# Altium PCB Mirny.PcbDoc (part 1 of 8) (continued)
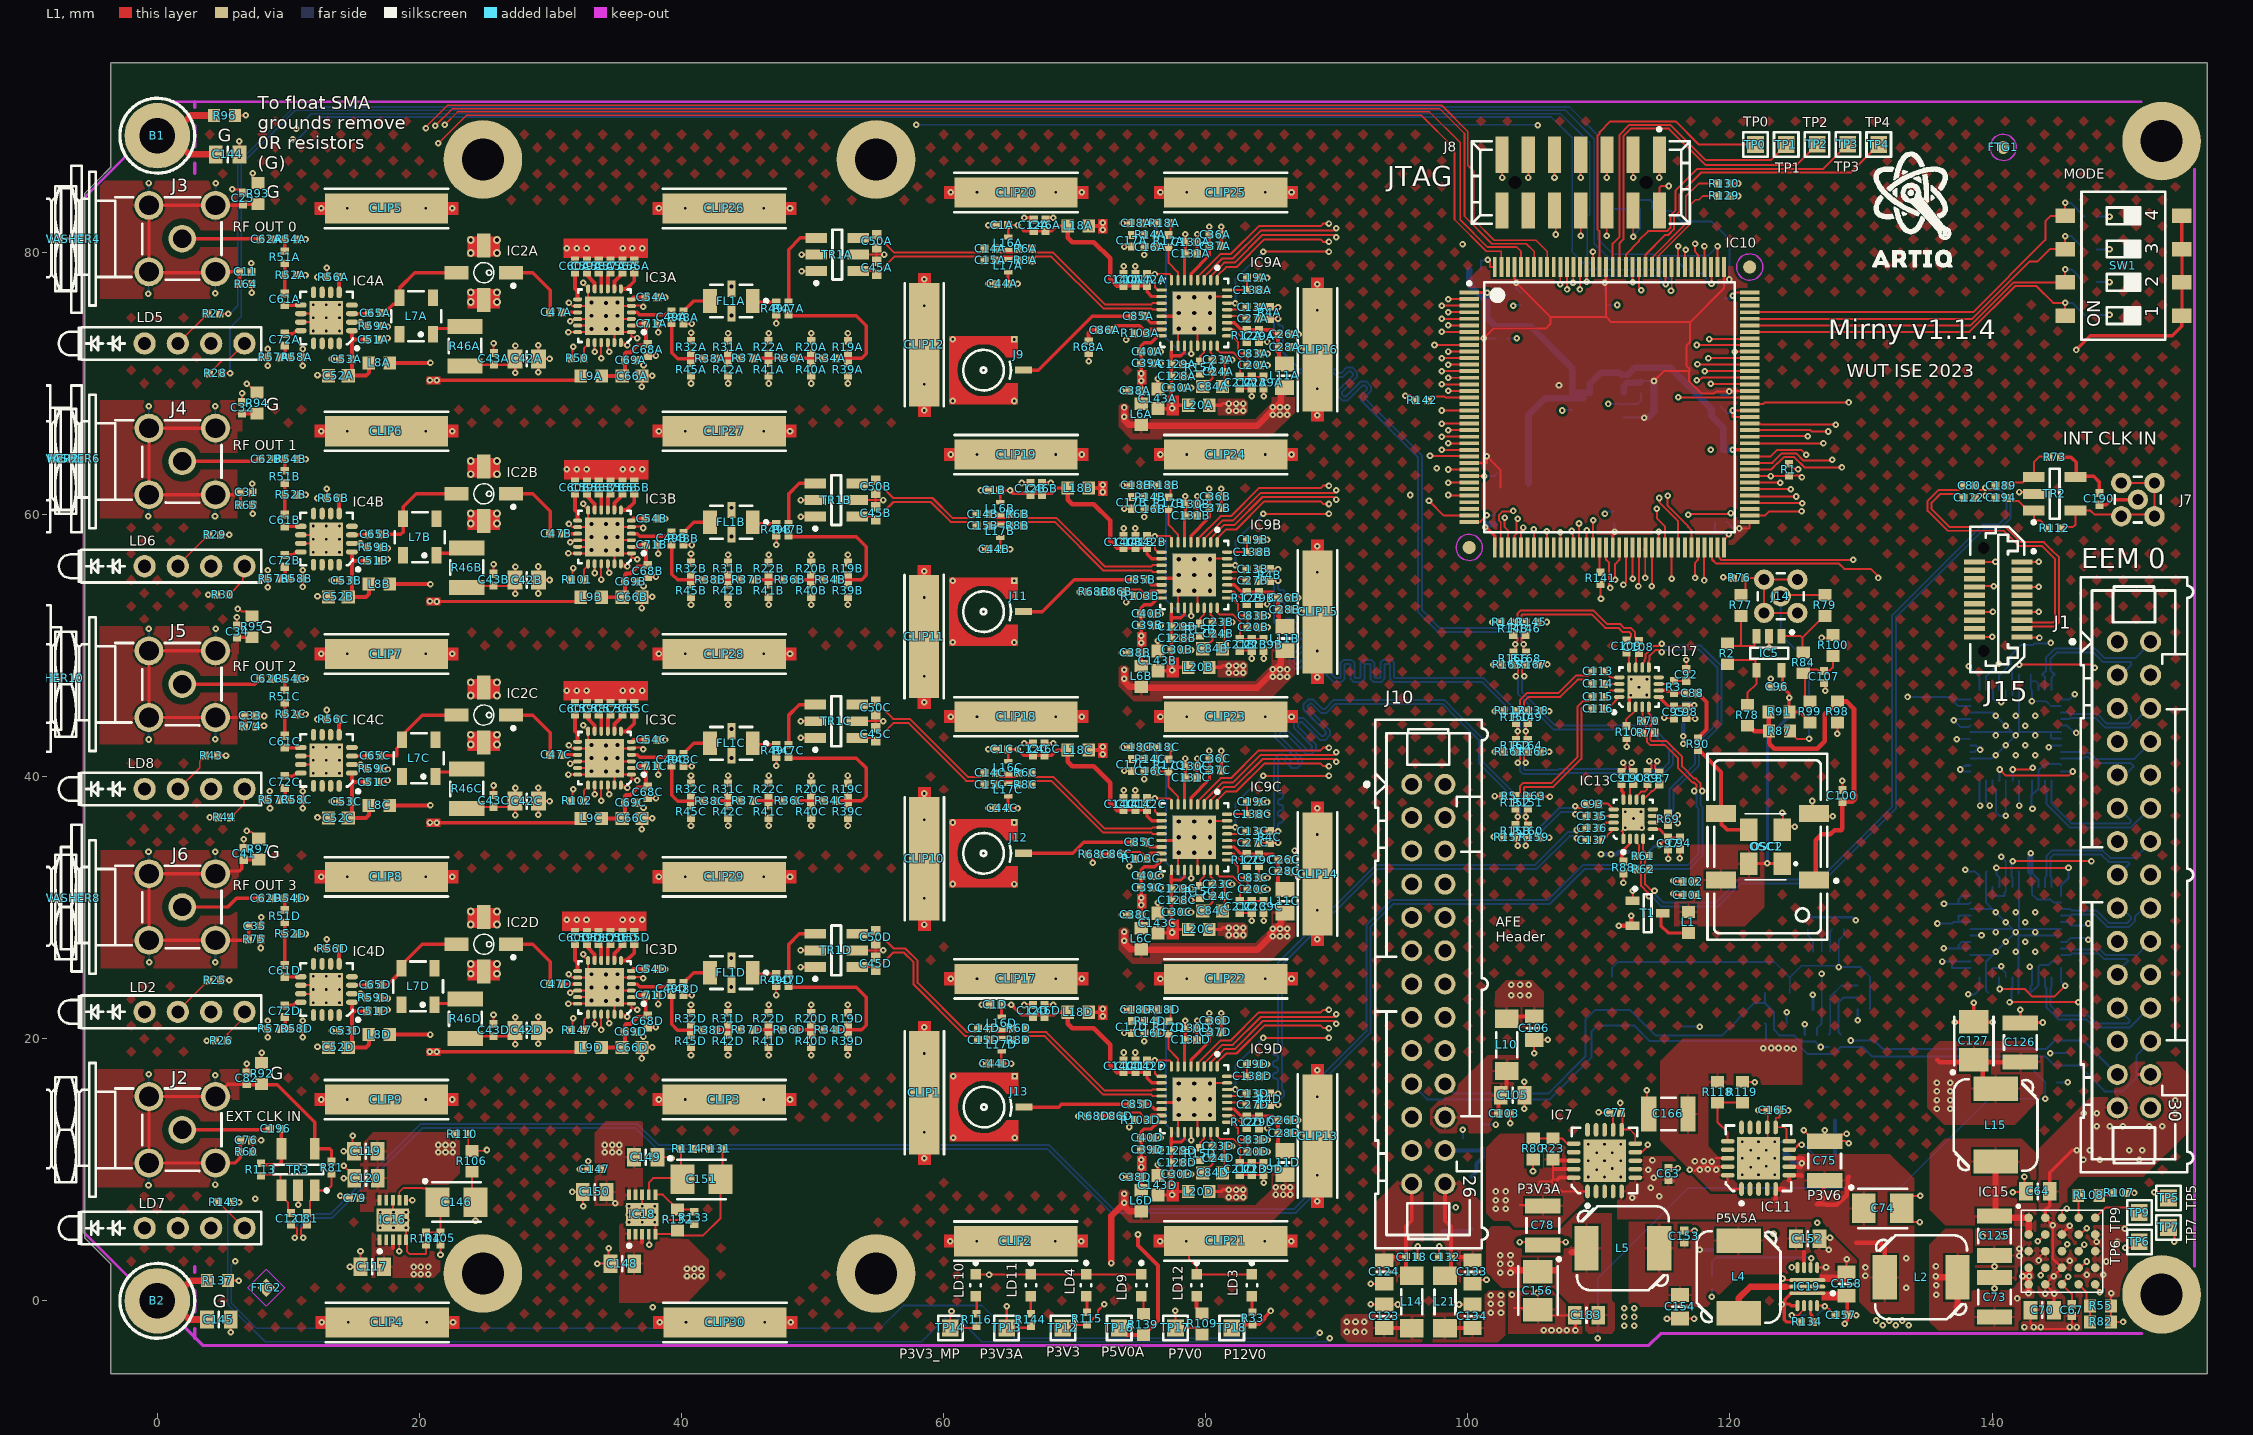
[diagram p0: L1 view]
## Classes and differential pairs (continued)
component class U_LVDS_IFCA: C2 C3 C4 C5 C6 C7 C8 C9 C10 D1 IC1 IC6 IC8 IC20 J1 R7 R9 R11 R13 R16 R21 R24 R35
component class U_CTRL_LOGIC: C104 C184 C185 C186 C187 C188 C192 C193 C197 C198 C199 C200 C201 IC10 IC14 J8 R1 R66 R67 R83 R85 R86 R111 R129 R130 R141 R142 SW1 TP0 TP1 TP2 TP3 TP4
component class U_CLK_INPUT: C80 C81 C87 C88 C89 C90 C91 C92 C93 C94 C95 C96 C97 C98 C100 C101 C102 C107 C108 C109 C113 C114 C115 C116 C121 C122 C135 C136 C137 C189 C190 C194 C196 IC5 IC13 IC17 J14 J15 L1 L3 L13 OSC1 OSC2 R2 R3 R5 R10 R61 R62 R63 R69 R70 R71 R73 R76 R77 R78 R79 R81 R84 R87 R88 R90 R91 R98 R99 R100 R112 R113 R117 R138 R140 R145 R146 R148 R149 R150 R151 R152 R157 R158 R159 R160 R161 R162 R163 R164 R165 R166 R167 R168 T1 TR2 TR3
component class U_B2B_Connectors: C103 C103D C105 C105D C106 C106D C107D C108D C109D C110 C110D C111 C111D C112 C112D C113D C114D C115D C116D C117D C118 C118D C123 C124 C132 C133 C134 J9 J10 J11 J12 J13 L10 L10D L12 L12D L13D L14 L14D L21
component class Mirny: B1 B2 C11 C25 C31 C32 C33 C34 C35 C41 C76 C82 C144 C145 CLIP1 CLIP2 CLIP3 CLIP4 CLIP5 CLIP6 CLIP7 CLIP8 CLIP9 CLIP10 CLIP11 CLIP12 CLIP13 CLIP14 CLIP15 CLIP16 CLIP17 CLIP18 CLIP19 CLIP20 CLIP21 CLIP22 CLIP23 CLIP24 CLIP25 CLIP26 CLIP27 CLIP28 CLIP29 CLIP30 FTG1 FTG2 FTG3 FTG4 J2 J3 J4 J5 J6 J7 LD2 LD5 LD6 LD8 NT1 NT2 NT3 NT4 NT5 NT6 NT7 NT8 NT9 NT10 NT11 NT12 NT13 NT14 NT15 NT16 NT17 NT18 NT19 NT20 R25 R26 R27 R28 R29 R30 R43 R44 R50 R60 R64 R65 R74 R75 R92 R93 R94 R95 R96 R97 R101 R102 R137 R147 WASHER2 WASHER4 WASHER6 WASHER8 WASHER10
differential pair VCOB_CLK2: +VCOB_CLK2_P -VCOB_CLK2_N
differential pair VCOB_CLK1: +VCOB_CLK1_P -VCOB_CLK1_N
differential pair VCOB_CLK0: +VCOB_CLK0_P -VCOB_CLK0_N
differential pair VCOA_CLK2: +VCOA_CLK2_P -VCOA_CLK2_N
differential pair VCOA_CLK1: +VCOA_CLK1_P -VCOA_CLK1_N
differential pair VCOA_CLK0: +VCOA_CLK0_P -VCOA_CLK0_N
differential pair CPCIS_CLK: +CPCIS_CLK_P -CPCIS_CLK_N
differential pair VCO_CLK3: +VCO_CLK3_P -VCO_CLK3_N
differential pair VCO_CLK2: +VCO_CLK2_P -VCO_CLK2_N
differential pair VCO_CLK1: +VCO_CLK1_P -VCO_CLK1_N
differential pair VCO_CLK0: +VCO_CLK0_P -VCO_CLK0_N
differential pair CLKM: +CLKM_P -CLKM_N
differential pair CK_SMA: +CK_SMA_P -CK_SMA_N
differential pair CK_MMCX: +CK_MMCX_P -CK_MMCX_N
differential pair LVDS7: +LVDS7_P -LVDS7_N
differential pair LVDS6: +LVDS6_P -LVDS6_N
differential pair LVDS5: +LVDS5_P -LVDS5_N
differential pair LVDS4: +LVDS4_P -LVDS4_N
differential pair LVDS3: +LVDS3_P -LVDS3_N
differential pair LVDS2: +LVDS2_P -LVDS2_N
differential pair LVDS1: +LVDS1_P -LVDS1_N
differential pair LVDS0: +LVDS0_P -LVDS0_N
differential pair VCO_OUTD: +VCO_OUTD_P -VCO_OUTD_N
differential pair VCO_OUTC: +VCO_OUTC_P -VCO_OUTC_N
differential pair VCO_OUTB: +VCO_OUTB_P -VCO_OUTB_N
differential pair VCO_OUTA: +VCO_OUTA_P -VCO_OUTA_N
differential pair VCO_OUTAD: +VCO_OUTAD_P -VCO_OUTAD_N
differential pair VCO_OUTAC: +VCO_OUTAC_P -VCO_OUTAC_N
differential pair VCO_OUTAB: +VCO_OUTAB_P -VCO_OUTAB_N
differential pair VCO_OUTAA: +VCO_OUTAA_P -VCO_OUTAA_N
differential pair CK_SMA_IN: +CK_SMA_IN_P -CK_SMA_IN_N
differential pair CK_MMCX_IN: +CK_MMCX_IN_P -CK_MMCX_IN_N

## Components (designator, comment, footprint, x,y, rotation, side; value= is the part's Value field where it differs from the comment)
B1 "Plated Hole" MTG270_500 0,88.9 r0 top
B2 "Plated Hole" MTG270_500 0,0 r0 top
C1A "120pF" CAPC1005X55N 64.461,82.078 r0 top (schematic designator C1)
C1B "120pF" CAPC1005X55N 63.866,61.833 r0 top (schematic designator C1)
C1C "120pF" CAPC1005X55N 64.461,42.078 r0 top (schematic designator C1)
C1D "120pF" CAPC1005X55N 63.953,22.586 r0 top (schematic designator C1)
C2 "100nF" CAPC1005X55N 142.544,38.488 r0 bottom
C3 "100nF" CAPC1005X55N 142.469,32.763 r0 bottom
C4 "100nF" CAPC1005X55N 142.494,47.788 r0 bottom
C5 "100nF" CAPC1005X55N 139.294,38.488 r180 bottom
C6 "100nF" CAPC1005X55N 139.144,32.763 r180 bottom
C7 "100nF" CAPC1005X55N 139.244,23.513 r180 bottom
C8 "100nF" CAPC1005X55N 142.469,23.463 r0 bottom
C9 "100nF" CAPC1005X55N 139.269,47.838 r180 bottom
C10 "100nF" CAPC1005X55N 144.501,16.675 r180 bottom
C11 "10nF" CAPC1005X55N 6.724,78.508 r0 top
C12A "100nF" CAPC1005X55N 66.873,82.069 r270 top (schematic designator C12)
C12B "100nF" CAPC1005X55N 66.619,61.954 r270 top (schematic designator C12)
C12C "100nF" CAPC1005X55N 66.81,42.079 r270 top (schematic designator C12)
C12D "100nF" CAPC1005X55N 66.81,22.12 r270 top (schematic designator C12)
C13A "1nF" CAPC1005X55N 83.57,75.815 r180 top (schematic designator C13)
C13B "1nF" CAPC1005X55N 83.57,55.815 r180 top (schematic designator C13)
C13C "1nF" CAPC1005X55N 83.57,35.815 r180 top (schematic designator C13)
C13D "1nF" CAPC1005X55N 83.57,15.815 r180 top (schematic designator C13)
C14A "1nF" CAPC1005X55N 63.567,80.275 r180 top (schematic designator C14)
C14B "1nF" CAPC1005X55N 62.972,60.03 r180 top (schematic designator C14)
C14C "1nF" CAPC1005X55N 63.567,40.275 r180 top (schematic designator C14)
C14D "1nF" CAPC1005X55N 63.059,20.783 r180 top (schematic designator C14)
C15A "1nF" CAPC1005X55N 63.567,79.386 r180 top (schematic designator C15)
C15B "1nF" CAPC1005X55N 62.972,59.141 r180 top (schematic designator C15)
C15C "1nF" CAPC1005X55N 63.567,39.386 r180 top (schematic designator C15)
C15D "1nF" CAPC1005X55N 63.059,19.894 r180 top (schematic designator C15)
C16A "560pF" CAPC1005X55N 75.769,80.407 r0 top (schematic designator C16)
C16B "560pF" CAPC1005X55N 75.769,60.407 r0 top (schematic designator C16)
C16C "560pF" CAPC1005X55N 75.769,40.407 r0 top (schematic designator C16)
C16D "560pF" CAPC1005X55N 75.769,20.407 r0 top (schematic designator C16)
C17A "7.5nF" CAPC1005X55N 74.372,80.888 r90 top (schematic designator C17)
C17B "7.5nF" CAPC1005X55N 74.372,60.888 r90 top (schematic designator C17)
C17C "7.5nF" CAPC1005X55N 74.372,40.888 r90 top (schematic designator C17)
C17D "7.5nF" CAPC1005X55N 74.372,20.888 r90 top (schematic designator C17)
C18A "240pF" CAPC1005X55N 74.712,82.221 r0 top (schematic designator C18)
C18B "240pF" CAPC1005X55N 74.712,62.221 r0 top (schematic designator C18)
C18C "240pF" CAPC1005X55N 74.712,42.221 r0 top (schematic designator C18)
C18D "240pF" CAPC1005X55N 74.712,22.221 r0 top (schematic designator C18)
C19A "100nF" CAPC1005X55N 83.598,78.063 r180 top (schematic designator C19)
C19B "100nF" CAPC1005X55N 83.598,58.063 r180 top (schematic designator C19)
C19C "100nF" CAPC1005X55N 83.598,38.063 r180 top (schematic designator C19)
C19D "100nF" CAPC1005X55N 83.598,18.063 r180 top (schematic designator C19)
C20A "100nF" CAPC1005X55N 83.633,71.389 r180 top (schematic designator C20)
C20B "100nF" CAPC1005X55N 83.633,51.389 r180 top (schematic designator C20)
C20C "100nF" CAPC1005X55N 83.633,31.389 r180 top (schematic designator C20)
C20D "100nF" CAPC1005X55N 83.633,11.389 r180 top (schematic designator C20)
C21A "10pF" CAPC1005X55N 82.597,70.057 r90 top (schematic designator C21)
C21B "10pF" CAPC1005X55N 82.597,50.057 r90 top (schematic designator C21)
C21C "10pF" CAPC1005X55N 82.597,30.057 r90 top (schematic designator C21)
C21D "10pF" CAPC1005X55N 82.597,10.057 r90 top (schematic designator C21)
C22A "10nF" CAPC1005X55N 83.506,70.057 r90 top (schematic designator C22)
C22B "10nF" CAPC1005X55N 83.506,50.057 r90 top (schematic designator C22)
C22C "10nF" CAPC1005X55N 83.506,30.057 r90 top (schematic designator C22)
C22D "10nF" CAPC1005X55N 83.506,10.057 r90 top (schematic designator C22)
C23A "10pF" CAPC1005X55N 80.972,71.793 r180 top (schematic designator C23)
C23B "10pF" CAPC1005X55N 80.972,51.793 r180 top (schematic designator C23)
C23C "10pF" CAPC1005X55N 80.972,31.793 r180 top (schematic designator C23)
C23D "10pF" CAPC1005X55N 80.972,11.793 r180 top (schematic designator C23)
C24A "1nF" CAPC1005X55N 80.965,70.885 r180 top (schematic designator C24)
C24B "1nF" CAPC1005X55N 80.965,50.885 r180 top (schematic designator C24)
C24C "1nF" CAPC1005X55N 80.965,30.885 r180 top (schematic designator C24)
C24D "1nF" CAPC1005X55N 80.965,10.885 r180 top (schematic designator C24)
C25 "10nF" CAPC1005X55N 6.535,84.125 r270 top
C26A "100nF" CAPC1005X55N 86.027,73.736 r180 top (schematic designator C26)
C26B "100nF" CAPC1005X55N 85.978,53.639 r180 top (schematic designator C26)
C26C "100nF" CAPC1005X55N 85.993,33.639 r180 top (schematic designator C26)
C26D "100nF" CAPC1005X55N 85.993,13.776 r180 top (schematic designator C26)
C27A "1nF" CAPC1005X55N 83.57,74.944 r180 top (schematic designator C27)
C27B "1nF" CAPC1005X55N 83.57,54.944 r180 top (schematic designator C27)
C27C "1nF" CAPC1005X55N 83.57,34.944 r180 top (schematic designator C27)
C27D "1nF" CAPC1005X55N 83.57,14.944 r180 top (schematic designator C27)
C28A "1uF" CAPC1005X55N 86.027,72.763 r180 top (schematic designator C28)
C28B "1uF" CAPC1005X55N 86.027,52.739 r180 top (schematic designator C28)
C28C "1uF" CAPC1005X55N 85.993,32.766 r180 top (schematic designator C28)
C28D "1uF" CAPC1005X55N 85.993,12.797 r180 top (schematic designator C28)
C29A "10pF" CAPC1005X55N 84.078,73.614 r90 top (schematic designator C29)
C29B "10pF" CAPC1005X55N 84.078,53.614 r90 top (schematic designator C29)
C29C "10pF" CAPC1005X55N 84.078,33.614 r90 top (schematic designator C29)
C29D "10pF" CAPC1005X55N 84.078,13.614 r90 top (schematic designator C29)
C30A "1uF" CAPC1005X55N 77.826,69.66 r180 top (schematic designator C30)
C30B "1uF" CAPC1005X55N 77.826,49.66 r180 top (schematic designator C30)
C30C "1uF" CAPC1005X55N 77.826,29.66 r180 top (schematic designator C30)
C30D "1uF" CAPC1005X55N 77.826,9.66 r180 top (schematic designator C30)
C31 "10nF" CAPC1005X55N 6.802,61.688 r0 top
C32 "10nF" CAPC1005X55N 6.465,68.146 r270 top
C33 "10nF" CAPC1005X55N 7.099,44.643 r0 top
C34 "10nF" CAPC1005X55N 6.089,51.071 r270 top
C35 "10nF" CAPC1005X55N 7.425,28.59 r0 top
C36A "100nF" CAPC1005X55N 80.731,81.36 r180 top (schematic designator C36)
C36B "100nF" CAPC1005X55N 80.731,61.36 r180 top (schematic designator C36)
C36C "100nF" CAPC1005X55N 80.731,41.36 r180 top (schematic designator C36)
C36D "100nF" CAPC1005X55N 80.731,21.36 r180 top (schematic designator C36)
C37A "10pF" CAPC1005X55N 80.731,80.486 r180 top (schematic designator C37)
C37B "10pF" CAPC1005X55N 80.731,60.486 r180 top (schematic designator C37)
C37C "10pF" CAPC1005X55N 80.731,40.486 r180 top (schematic designator C37)
C37D "10pF" CAPC1005X55N 80.731,20.486 r180 top (schematic designator C37)
C38A "1uF" CAPC1005X55N 74.627,69.444 r0 top (schematic designator C38)
C38B "1uF" CAPC1005X55N 74.627,49.444 r0 top (schematic designator C38)
C38C "1uF" CAPC1005X55N 74.627,29.443 r0 top (schematic designator C38)
C38D "1uF" CAPC1005X55N 74.627,9.443 r0 top (schematic designator C38)
C39A "100nF" CAPC1005X55N 75.527,71.529 r180 top (schematic designator C39)
C39B "100nF" CAPC1005X55N 75.527,51.529 r180 top (schematic designator C39)
C39C "100nF" CAPC1005X55N 75.527,31.529 r180 top (schematic designator C39)
C39D "100nF" CAPC1005X55N 75.527,11.529 r180 top (schematic designator C39)
C40A "10pF" CAPC1005X55N 75.528,72.428 r180 top (schematic designator C40)
C40B "10pF" CAPC1005X55N 75.528,52.428 r180 top (schematic designator C40)
C40C "10pF" CAPC1005X55N 75.528,32.428 r180 top (schematic designator C40)
C40D "10pF" CAPC1005X55N 75.528,12.428 r180 top (schematic designator C40)
C41 "10nF" CAPC1005X55N 6.595,34.107 r270 top
C42A "2.2uF" CAPC2012X140N 28.18,71.88 r180 top (schematic designator C42)
C42B "2.2uF" CAPC2012X140N 28.18,55.001 r180 top (schematic designator C42)
C42C "2.2uF" CAPC2012X140N 28.18,38.122 r180 top (schematic designator C42)
C42D "2.2uF" CAPC2012X140N 28.178,20.634 r180 top (schematic designator C42)
C43A "100nF" CAPC1005X55N 25.68,71.88 r270 top (schematic designator C43)
C43B "100nF" CAPC1005X55N 25.655,55.026 r270 top (schematic designator C43)
C43C "100nF" CAPC1005X55N 25.655,38.147 r270 top (schematic designator C43)
C43D "100nF" CAPC1005X55N 25.653,20.659 r270 top (schematic designator C43)
C44A "120pF" CAPC1005X55N 64.461,77.597 r0 top (schematic designator C44)
C44B "120pF" CAPC1005X55N 63.866,57.353 r0 top (schematic designator C44)
C44C "120pF" CAPC1005X55N 64.461,37.597 r0 top (schematic designator C44)
C44D "120pF" CAPC1005X55N 63.953,18.105 r0 top (schematic designator C44)
C45A "0.5pF" CAPC0402(1005)60_M 54.881,78.824 r270 top (schematic designator C45)
C45B "0.5pF" CAPC0402(1005)60_M 54.807,60.093 r270 top (schematic designator C45)
C45C "0.5pF" CAPC0402(1005)60_M 54.807,43.214 r270 top (schematic designator C45)
C45D "0.5pF" CAPC0402(1005)60_M 54.805,25.726 r270 top (schematic designator C45)
C46A "1uF" CAPC1005X55N 67.77,82.069 r270 top (schematic designator C46)
C46B "1uF" CAPC1005X55N 67.516,61.954 r270 top (schematic designator C46)
C46C "1uF" CAPC1005X55N 67.707,42.079 r270 top (schematic designator C46)
C46D "1uF" CAPC1005X55N 67.707,22.12 r270 top (schematic designator C46)
C47A "10nF" CAPC1005X55N 30.43,75.414 r180 top (schematic designator C47)
C47B "10nF" CAPC1005X55N 30.43,58.535 r180 top (schematic designator C47)
C47C "10nF" CAPC1005X55N 30.43,41.656 r180 top (schematic designator C47)
C47D "10nF" CAPC1005X55N 30.428,24.168 r180 top (schematic designator C47)
C48 "100nF" CAPC1005X55N 128.718,28.806 r270 bottom
C49A "10nF" CAPC1005X55N 39.243,75.048 r270 top (schematic designator C49)
C49B "10nF" CAPC1005X55N 39.243,58.169 r270 top (schematic designator C49)
C49C "10nF" CAPC1005X55N 39.243,41.29 r270 top (schematic designator C49)
C49D "10nF" CAPC1005X55N 39.241,23.802 r270 top (schematic designator C49)
C50A "0.5pF" CAPC0402(1005)60_M 54.881,80.844 r270 top (schematic designator C50)
C50B "0.5pF" CAPC0402(1005)60_M 54.807,62.113 r270 top (schematic designator C50)
C50C "0.5pF" CAPC0402(1005)60_M 54.807,45.234 r270 top (schematic designator C50)
C50D "0.5pF" CAPC0402(1005)60_M 54.805,27.746 r270 top (schematic designator C50)
C51A "100pF" CAPC1005X55N 16.473,73.339 r0 top (schematic designator C51)
C51B "100pF" CAPC1005X55N 16.473,56.46 r0 top (schematic designator C51)
C51C "100pF" CAPC1005X55N 16.473,39.581 r0 top (schematic designator C51)
C51D "100pF" CAPC1005X55N 16.471,22.093 r0 top (schematic designator C51)
C52A "10uF" CAPC1608X80N 13.823,70.589 r0 top (schematic designator C52)
C52B "10uF" CAPC1608X80N 13.823,53.71 r0 top (schematic designator C52)
C52C "10uF" CAPC1608X80N 13.823,36.831 r0 top (schematic designator C52)
C52D "10uF" CAPC1608X80N 13.821,19.343 r0 top (schematic designator C52)
C53A "100nF" CAPC1005X55N 14.398,71.839 r0 top (schematic designator C53)
C53B "100nF" CAPC1005X55N 14.398,54.96 r0 top (schematic designator C53)
C53C "100nF" CAPC1005X55N 14.398,38.081 r0 top (schematic designator C53)
C53D "100nF" CAPC1005X55N 14.396,20.593 r0 top (schematic designator C53)
C54A "10nF" CAPC1005X55N 37.723,76.564 r180 top (schematic designator C54)
C54B "10nF" CAPC1005X55N 37.723,59.685 r180 top (schematic designator C54)
C54C "10nF" CAPC1005X55N 37.723,42.806 r180 top (schematic designator C54)
C54D "10nF" CAPC1005X55N 37.721,25.318 r180 top (schematic designator C54)
C55A "10nF" CAPC1005X55N 36.392,78.935 r270 top (schematic designator C55)
C55B "10nF" CAPC1005X55N 36.392,62.056 r270 top (schematic designator C55)
C55C "10nF" CAPC1005X55N 36.392,45.177 r270 top (schematic designator C55)
C55D "10nF" CAPC1005X55N 36.39,27.689 r270 top (schematic designator C55)
C56A "10nF" CAPC1005X55N 35.488,78.935 r270 top (schematic designator C56)
C56B "10nF" CAPC1005X55N 35.488,62.056 r270 top (schematic designator C56)
C56C "10nF" CAPC1005X55N 35.488,45.177 r270 top (schematic designator C56)
C56D "10nF" CAPC1005X55N 35.486,27.689 r270 top (schematic designator C56)
C57A "10nF" CAPC1005X55N 34.569,78.936 r270 top (schematic designator C57)
C57B "10nF" CAPC1005X55N 34.579,62.052 r270 top (schematic designator C57)
C57C "10nF" CAPC1005X55N 34.584,45.177 r270 top (schematic designator C57)
C57D "10nF" CAPC1005X55N 34.571,27.683 r270 top (schematic designator C57)
C58A "10nF" CAPC1005X55N 33.68,78.935 r270 top (schematic designator C58)
C58B "10nF" CAPC1005X55N 33.68,62.056 r270 top (schematic designator C58)
C58C "10nF" CAPC1005X55N 33.68,45.177 r270 top (schematic designator C58)
C58D "10nF" CAPC1005X55N 33.678,27.689 r270 top (schematic designator C58)
C59A "10nF" CAPC1005X55N 32.775,78.935 r270 top (schematic designator C59)
C59B "10nF" CAPC1005X55N 32.775,62.056 r270 top (schematic designator C59)
C59C "10nF" CAPC1005X55N 32.775,45.177 r270 top (schematic designator C59)
C59D "10nF" CAPC1005X55N 32.773,27.689 r270 top (schematic designator C59)
C60A "10nF" CAPC1005X55N 31.871,78.935 r270 top (schematic designator C60)
C60B "10nF" CAPC1005X55N 31.871,62.056 r270 top (schematic designator C60)
C60C "10nF" CAPC1005X55N 31.871,45.177 r270 top (schematic designator C60)
C60D "10nF" CAPC1005X55N 31.869,27.689 r270 top (schematic designator C60)
C61A "10nF" CAPC1005X55N 9.723,76.425 r90 top (schematic designator C61)
C61B "10nF" CAPC1005X55N 9.723,59.545 r90 top (schematic designator C61)
C61C "10nF" CAPC1005X55N 9.723,42.666 r90 top (schematic designator C61)
C61D "10nF" CAPC1005X55N 9.721,25.179 r90 top (schematic designator C61)
C62A "10nF" CAPC1005X55N 8.311,80.988 r180 top (schematic designator C62)
C62B "10nF" CAPC1005X55N 8.311,64.228 r180 top (schematic designator C62)
C62C "10nF" CAPC1005X55N 8.312,47.468 r180 top (schematic designator C62)
C62D "10nF" CAPC1005X55N 8.313,30.708 r180 top (schematic designator C62)
C63 "1uF" CAPC1005X55N 115.304,9.68 r90 top
C64 "22uF" CAPC2012X135N 143.494,8.347 r0 top
C65A "10nF" CAPC1005X55N 16.623,75.364 r180 top (schematic designator C65)
C65B "10nF" CAPC1005X55N 16.623,58.485 r180 top (schematic designator C65)
C65C "10nF" CAPC1005X55N 16.623,41.606 r180 top (schematic designator C65)
C65D "10nF" CAPC1005X55N 16.621,24.118 r180 top (schematic designator C65)
C66A "10uF" CAPC1608X80N 36.223,70.564 r180 top (schematic designator C66)
C66B "10uF" CAPC1608X80N 36.223,53.685 r180 top (schematic designator C66)
C66C "10uF" CAPC1608X80N 36.223,36.806 r180 top (schematic designator C66)
C66D "10uF" CAPC1608X80N 36.221,19.318 r180 top (schematic designator C66)
C67 "100nF" CAPC1005X55N 146.084,-0.709 r90 top
C68A "100nF" CAPC1005X55N 37.423,72.564 r90 top (schematic designator C68)
C68B "100nF" CAPC1005X55N 37.423,55.685 r90 top (schematic designator C68)
C68C "100nF" CAPC1005X55N 37.423,38.806 r90 top (schematic designator C68)
C68D "100nF" CAPC1005X55N 37.421,21.318 r90 top (schematic designator C68)
C69A "1nF" CAPC1005X55N 36.123,71.764 r180 top (schematic designator C69)
C69B "1nF" CAPC1005X55N 36.123,54.885 r180 top (schematic designator C69)
C69C "1nF" CAPC1005X55N 36.123,38.006 r180 top (schematic designator C69)
C69D "1nF" CAPC1005X55N 36.121,20.518 r180 top (schematic designator C69)
C70 "22uF" CAPC2012X135N 143.834,-0.709 r0 top
C71A "100pF" CAPC1005X55N 37.723,74.564 r180 top (schematic designator C71)
C71B "100pF" CAPC1005X55N 37.723,57.685 r180 top (schematic designator C71)
C71C "100pF" CAPC1005X55N 37.723,40.806 r180 top (schematic designator C71)
C71D "100pF" CAPC1005X55N 37.721,23.318 r180 top (schematic designator C71)
C72A "10nF" CAPC1005X55N 9.723,73.339 r270 top (schematic designator C72)
C72B "10nF" CAPC1005X55N 9.723,56.46 r270 top (schematic designator C72)
C72C "10nF" CAPC1005X55N 9.723,39.581 r270 top (schematic designator C72)
C72D "10nF" CAPC1005X55N 9.721,22.093 r270 top (schematic designator C72)
C73 "47uF" CAPC3225X270N 140.186,0.277 r270 top
C74 "22uF" CAPMP3528X210N 131.655,7.047 r0 top
C75 "47uF" CAPC3225X270N 127.222,10.675 r270 top
C76 "10nF" CAPC1005X55N 6.797,12.238 r180 top
C77 "1uF" CAPC1005X55N 111.244,14.336 r0 top
C78 "47uF" CAPC3225X270N 105.723,5.749 r90 top
C79 "100nF" CAPC1005X55N 15.054,7.843 r0 top
C80 "100nF" CAPC1005X55N 138.261,62.205 r180 top
C81 "100nF" CAPC1005X55N 11.418,6.261 r270 top
C82 "10nF" CAPC1005X55N 6.82,16.98 r90 top
C83A "10pF" CAPC1005X55N 83.633,72.274 r180 top (schematic designator C83)
C83B "10pF" CAPC1005X55N 83.633,52.274 r180 top (schematic designator C83)
C83C "10pF" CAPC1005X55N 83.633,32.274 r180 top (schematic designator C83)
C83D "10pF" CAPC1005X55N 83.633,12.274 r180 top (schematic designator C83)
C84A "4.7uF" CAPC1608X80N 80.521,69.754 r180 top (schematic designator C84)
C84B "4.7uF" CAPC1608X80N 80.521,49.754 r180 top (schematic designator C84)
C84C "4.7uF" CAPC1608X80N 80.521,29.754 r180 top (schematic designator C84)
C84D "4.7uF" CAPC1608X80N 80.521,9.754 r180 top (schematic designator C84)
C85A "1nF" CAPC1005X55N 74.866,75.128 r180 top (schematic designator C85)
C85B "1nF" CAPC1005X55N 74.988,55.035 r180 top (schematic designator C85)
C85C "1nF" CAPC1005X55N 74.981,34.989 r180 top (schematic designator C85)
C85D "1nF" CAPC1005X55N 74.773,15.001 r180 top (schematic designator C85)
C86A "1nF" CAPC1005X55N 72.305,74.064 r180 top (schematic designator C86)
C86B "1nF" CAPC1005X55N 73.228,54.106 r180 top (schematic designator C86)
C86C "1nF" CAPC1005X55N 73.217,34.064 r180 top (schematic designator C86)
C86D "1nF" CAPC1005X55N 73.217,14.092 r180 top (schematic designator C86)
C87 "100nF" CAPC1005X55N 114.605,39.853 r270 top
C88 "100nF" CAPC1005X55N 117.116,46.355 r180 top
C89 "100nF" CAPC1005X55N 113.698,39.879 r270 top
C90 "100nF" CAPC1005X55N 112.622,39.885 r270 top
C91 "100nF" CAPC1005X55N 111.729,39.879 r270 top
C92 "100nF" CAPC1005X55N 116.666,47.765 r270 top
C93 "100nF" CAPC1005X55N 109.507,37.887 r0 top
C94 "1uF" CAPC1005X55N 116.174,34.909 r90 top
C95 "100pF" CAPC1005X55N 115.726,44.902 r90 top
C96 "100nF" CAPC1005X55N 123.559,46.838 r0 top
C97 "100pF" CAPC1005X55N 115.281,34.884 r90 top
C98 "1uF" CAPC1005X55N 116.666,44.907 r90 top
C100 "1uF" CAPC1005X55N 128.573,38.525 r270 top
C101 "1uF" CAPC1005X55N 116.828,30.963 r0 top
C102 "100nF" CAPC1005X55N 116.828,31.979 r0 top
C103 "1nF" CAPC1005X55N 102.773,14.288 r180 top
C104 "1uF" CAPC1005X55N 111.13,59.778 r270 bottom
C105 "10uF" CAPC2012X135N 103.417,15.689 r180 top
C106 "10uF" CAPC2012X135N 105.059,20.81 r90 top
C107 "1uF" CAPC1005X55N 127.178,47.6 r90 top
C108 "100nF" CAPC1005X55N 113.059,49.873 r270 top
C109 "100nF" CAPC1005X55N 112.106,49.931 r270 top
C110 "1nF" CAPC1005X55N 99.613,11.919 r270 bottom
C111 "10uF" CAPC2012X135N 98.068,6.224 r270 bottom
C112 "10uF" CAPC2012X135N 101.116,12.549 r270 bottom
C113 "100nF" CAPC1005X55N 109.947,48.031 r0 top
C114 "100nF" CAPC1005X55N 109.947,47.075 r0 top
C115 "100nF" CAPC1005X55N 109.947,46.075 r0 top
C116 "100nF" CAPC1005X55N 109.947,45.174 r0 top
C117 "22uF" CAPC2012X135N 16.403,2.603 r180 top
C118 "1nF" CAPC1005X55N 95.719,3.341 r180 top
C119 "22uF" CAPC2012X135N 15.91,11.408 r180 top
C120 "22uF" CAPC2012X135N 15.921,9.361 r180 top
C121 "100nF" CAPC1005X55N 10.211,6.261 r270 top
C122 "100nF" CAPC1005X55N 138.261,61.26 r180 top
C123 "10uF" CAPC2012X135N 93.623,-1.184 r270 top
C124 "10uF" CAPC2012X135N 93.623,2.198 r90 top
C125 "47uF" CAPC3225X270N 140.186,4.956 r90 top
C126 "47uF" CAPC3225X270N 142.164,19.71 r270 top
C127 "22uF" CAPMP3528X210N 138.608,19.835 r90 top
C128A "1nF" CAPC1005X55N 77.826,70.552 r180 top (schematic designator C128)
C128B "1nF" CAPC1005X55N 77.826,50.552 r180 top (schematic designator C128)
C128C "1nF" CAPC1005X55N 77.826,30.552 r180 top (schematic designator C128)
C128D "1nF" CAPC1005X55N 77.826,10.552 r180 top (schematic designator C128)
C129A "10pF" CAPC1005X55N 77.826,71.452 r180 top (schematic designator C129)
C129B "10pF" CAPC1005X55N 77.826,51.452 r180 top (schematic designator C129)
C129C "10pF" CAPC1005X55N 77.826,31.452 r180 top (schematic designator C129)
C129D "10pF" CAPC1005X55N 77.826,11.452 r180 top (schematic designator C129)
C130A "100nF" CAPC1005X55N 78.889,80.783 r180 top (schematic designator C130)
C130B "100nF" CAPC1005X55N 78.889,60.783 r180 top (schematic designator C130)
C130C "100nF" CAPC1005X55N 78.889,40.783 r180 top (schematic designator C130)
C130D "100nF" CAPC1005X55N 78.889,20.783 r180 top (schematic designator C130)
C131A "10pF" CAPC1005X55N 78.889,79.909 r180 top (schematic designator C131)
C131B "10pF" CAPC1005X55N 78.889,59.909 r180 top (schematic designator C131)
C131C "10pF" CAPC1005X55N 78.889,39.909 r180 top (schematic designator C131)
C131D "10pF" CAPC1005X55N 78.889,19.909 r180 top (schematic designator C131)
C132 "1nF" CAPC1005X55N 98.259,3.341 r0 top
C133 "10uF" CAPC2012X135N 100.354,2.198 r90 top
C134 "10uF" CAPC2012X135N 100.354,-1.184 r270 top
C135 "100nF" CAPC1005X55N 109.507,36.978 r0 top
C136 "100nF" CAPC1005X55N 109.507,36.069 r0 top
C137 "100nF" CAPC1005X55N 109.525,35.154 r0 top
C138A "10pF" CAPC1005X55N 83.598,77.128 r180 top (schematic designator C138)
C138B "10pF" CAPC1005X55N 83.598,57.128 r180 top (schematic designator C138)
C138C "10pF" CAPC1005X55N 83.598,37.128 r180 top (schematic designator C138)
C138D "10pF" CAPC1005X55N 83.598,17.128 r180 top (schematic designator C138)
C139A "1uF" CAPC1005X55N 84.415,70.057 r90 top (schematic designator C139)
C139B "1uF" CAPC1005X55N 84.415,50.057 r90 top (schematic designator C139)
C139C "1uF" CAPC1005X55N 84.415,30.057 r90 top (schematic designator C139)
C139D "1uF" CAPC1005X55N 84.415,10.057 r90 top (schematic designator C139)
C140A "1uF" CAPC1005X55N 73.738,77.899 r270 top (schematic designator C140)
C140B "1uF" CAPC1005X55N 73.738,57.899 r270 top (schematic designator C140)
C140C "1uF" CAPC1005X55N 73.738,37.899 r270 top (schematic designator C140)
C140D "1uF" CAPC1005X55N 73.738,17.899 r270 top (schematic designator C140)
C141A "1nF" CAPC1005X55N 74.63,77.899 r270 top (schematic designator C141)
C141B "1nF" CAPC1005X55N 74.63,57.899 r270 top (schematic designator C141)
C141C "1nF" CAPC1005X55N 74.63,37.899 r270 top (schematic designator C141)
C141D "1nF" CAPC1005X55N 74.63,17.899 r270 top (schematic designator C141)
C142A "10pF" CAPC1005X55N 75.525,77.896 r270 top (schematic designator C142)
C142B "10pF" CAPC1005X55N 75.525,57.896 r270 top (schematic designator C142)
C142C "10pF" CAPC1005X55N 75.525,37.896 r270 top (schematic designator C142)
C142D "10pF" CAPC1005X55N 75.525,17.896 r270 top (schematic designator C142)
C143A "10uF" CAPC1608X80N 76.352,68.825 r270 top (schematic designator C143)
C143B "10uF" CAPC1608X80N 76.352,48.825 r270 top (schematic designator C143)
C143C "10uF" CAPC1608X80N 76.352,28.825 r270 top (schematic designator C143)
C143D "10uF" CAPC1608X80N 76.352,8.825 r270 top (schematic designator C143)
C144 "Undefined" CAPC2012X135N 5.363,87.472 r0 top
C145 "Undefined" CAPC2012X135N 4.698,-1.428 r0 top
C146 "22uF" CAPMP3528X210N 22.83,7.534 r0 top
C147 "100nF" CAPC1005X55N 33.371,10.046 r0 top
C148 "22uF" CAPC2012X135N 35.486,2.832 r180 top
C149 "22uF" CAPC2012X135N 37.271,10.954 r0 top
C150 "22uF" CAPC2012X135N 33.371,8.306 r180 top
C151 "22uF" CAPMP3528X210N 41.525,9.261 r0 top
C152 "22uF" CAPC2012X135N 125.93,4.745 r180 top
C153 "100nF" CAPC1005X55N 116.517,4.911 r270 top
C154 "22uF" CAPC2012X135N 116.19,-0.457 r90 top
C155 "100nF" CAPC1005X55N 126.215,-1.073 r0 bottom
C156 "22uF" CAPMP3528X210N 105.351,0.775 r270 top
C157 "100nF" CAPC1005X55N 128.508,-1.095 r0 top
C158 "22uF" CAPC2012X135N 128.896,1.286 r270 top
C160 "1uF" CAPC1005X55N 124.267,11.628 r90 bottom
C165 "1uF" CAPC1005X55N 123.334,14.541 r0 top
C166 "47uF" CAPC3225X270N 115.304,14.258 r0 top
C183 "22uF" CAPC2012X135N 109.049,-1.095 r0 top
C184 "100nF" CAPC1005X55N 119.554,76.934 r90 bottom
C185 "100nF" CAPC1005X55N 119.398,59.372 r0 bottom
C186 "100nF" CAPC1005X55N 119.304,68.684 r90 bottom
C187 "100nF" CAPC1005X55N 102.054,63.434 r90 bottom
C188 "100nF" CAPC1005X55N 110.554,76.434 r90 bottom
C189 "100nF" CAPC1005X55N 140.704,62.205 r180 top
C190 "100nF" CAPC1005X55N 148.197,61.189 r90 top
C192 "100nF" CAPC1005X55N 104.054,76.434 r90 bottom
C193 "100nF" CAPC1005X55N 102.554,73.434 r180 bottom
C194 "100nF" CAPC1005X55N 140.704,61.26 r180 top
C196 "100nF" CAPC1005X55N 9.025,13.118 r0 top
C197 "1uF" CAPC1005X55N 113.204,69.684 r90 bottom
C198 "1uF" CAPC1005X55N 107.954,68.434 r90 bottom
C199 "100nF" CAPC1005X55N 102.054,59.684 r270 bottom
C200 "100nF" CAPC1005X55N 119.054,64.934 r0 bottom
C201 "100nF" CAPC1005X55N 100.554,78.684 r180 bottom
CLIP1 "S1411-46R" CLIP_HOLLAND-SHIELDING_LC 58.525,15.881 r270 top
CLIP2 "S1411-46R" CLIP_HOLLAND-SHIELDING_LC 65.498,4.549 r180 top
CLIP3 "S1411-46R" CLIP_HOLLAND-SHIELDING_LC 43.263,15.35 r180 top
CLIP4 "S1411-46R" CLIP_HOLLAND-SHIELDING_LC 17.545,-1.65 r180 top
CLIP5 "S1411-46R" CLIP_HOLLAND-SHIELDING_LC 17.482,83.35 r180 top
CLIP6 "S1411-46R" CLIP_HOLLAND-SHIELDING_LC 17.482,66.35 r180 top
CLIP7 "S1411-46R" CLIP_HOLLAND-SHIELDING_LC 17.482,49.35 r180 top
CLIP8 "S1411-46R" CLIP_HOLLAND-SHIELDING_LC 17.482,32.35 r180 top
CLIP9 "S1411-46R" CLIP_HOLLAND-SHIELDING_LC 17.482,15.35 r180 top
CLIP10 "S1411-46R" CLIP_HOLLAND-SHIELDING_LC 58.525,33.725 r270 top
CLIP11 "S1411-46R" CLIP_HOLLAND-SHIELDING_LC 58.512,50.68 r270 top
CLIP12 "S1411-46R" CLIP_HOLLAND-SHIELDING_LC 58.519,72.953 r270 top
CLIP13 "S1411-46R" CLIP_HOLLAND-SHIELDING_LC 88.528,12.567 r270 top
CLIP14 "S1411-46R" CLIP_HOLLAND-SHIELDING_LC 88.528,32.567 r270 top
CLIP15 "S1411-46R" CLIP_HOLLAND-SHIELDING_LC 88.528,52.567 r270 top
CLIP16 "S1411-46R" CLIP_HOLLAND-SHIELDING_LC 88.528,72.567 r270 top
CLIP17 "S1411-46R" CLIP_HOLLAND-SHIELDING_LC 65.528,24.567 r180 top
CLIP18 "S1411-46R" CLIP_HOLLAND-SHIELDING_LC 65.528,44.567 r180 top
CLIP19 "S1411-46R" CLIP_HOLLAND-SHIELDING_LC 65.528,64.567 r180 top
CLIP20 "S1411-46R" CLIP_HOLLAND-SHIELDING_LC 65.528,84.567 r180 top
CLIP21 "S1411-46R" CLIP_HOLLAND-SHIELDING_LC 81.528,4.567 r0 top
CLIP22 "S1411-46R" CLIP_HOLLAND-SHIELDING_LC 81.528,24.567 r0 top
CLIP23 "S1411-46R" CLIP_HOLLAND-SHIELDING_LC 81.528,44.567 r0 top
CLIP24 "S1411-46R" CLIP_HOLLAND-SHIELDING_LC 81.528,64.567 r0 top
CLIP25 "S1411-46R" CLIP_HOLLAND-SHIELDING_LC 81.528,84.567 r0 top
CLIP26 "S1411-46R" CLIP_HOLLAND-SHIELDING_LC 43.263,83.35 r180 top
CLIP27 "S1411-46R" CLIP_HOLLAND-SHIELDING_LC 43.263,66.35 r180 top
CLIP28 "S1411-46R" CLIP_HOLLAND-SHIELDING_LC 43.263,49.35 r180 top
CLIP29 "S1411-46R" CLIP_HOLLAND-SHIELDING_LC 43.263,32.35 r180 top
CLIP30 "S1411-46R" CLIP_HOLLAND-SHIELDING_LC 43.326,-1.65 r180 top
D1 "PRTR5V0U2X" SOT190P230X110-4N 123.622,22.327 r90 bottom
FL1A "DC to 4400MHz" FIL_MINI-CIRCUITS_FV1206 43.798,76.289 r180 top (schematic designator FL1)
FL1B "DC to 4400MHz" FIL_MINI-CIRCUITS_FV1206 43.798,59.41 r180 top (schematic designator FL1)
FL1C "DC to 4400MHz" FIL_MINI-CIRCUITS_FV1206 43.798,42.531 r180 top (schematic designator FL1)
FL1D "DC to 4400MHz" FIL_MINI-CIRCUITS_FV1206 43.796,25.043 r180 top (schematic designator FL1)
FTG1 "Use only in PCB" FIDUCIAL_TOP_C100-200 140.854,88.006 r90 top
FTG2 "Use only in PCB" FIDUCIAL_TOP_S100-200 8.327,0.993 r90 top
FTG3 "Use only in PCB" FIDUCIAL_TOP_S200-400 142.413,88.006 r180 bottom
FTG4 "Use only in PCB" FIDUCIAL_TOP_S100-200 9.003,1.144 r90 bottom
IC1 "SN65MLVD040RGZT" QFN50P700X700X100-49N-S420 141.794,43.138 r180 bottom
IC2A "ERA-4XSM+" MINI-CIRCUITS_WW107 24.917,78.453 r180 top (schematic designator IC2)
IC2B "ERA-4XSM+" MINI-CIRCUITS_WW107 24.917,61.574 r180 top (schematic designator IC2)
IC2C "ERA-4XSM+" MINI-CIRCUITS_WW107 24.917,44.695 r180 top (schematic designator IC2)
IC2D "ERA-4XSM+" MINI-CIRCUITS_WW107 24.915,27.207 r180 top (schematic designator IC2)
IC3A "HMC542BLP4E" QFN50P400X400X100-25N-S295 34.123,75.164 r180 top (schematic designator IC3)
IC3B "HMC542BLP4E" QFN50P400X400X100-25N-S295 34.123,58.285 r180 top (schematic designator IC3)
IC3C "HMC542BLP4E" QFN50P400X400X100-25N-S295 34.123,41.406 r180 top (schematic designator IC3)
IC3D "HMC542BLP4E" QFN50P400X400X100-25N-S295 34.121,23.918 r180 top (schematic designator IC3)